# KiCad board VERA-XE-HDMI-Expansion.kicad_pcb (continued)
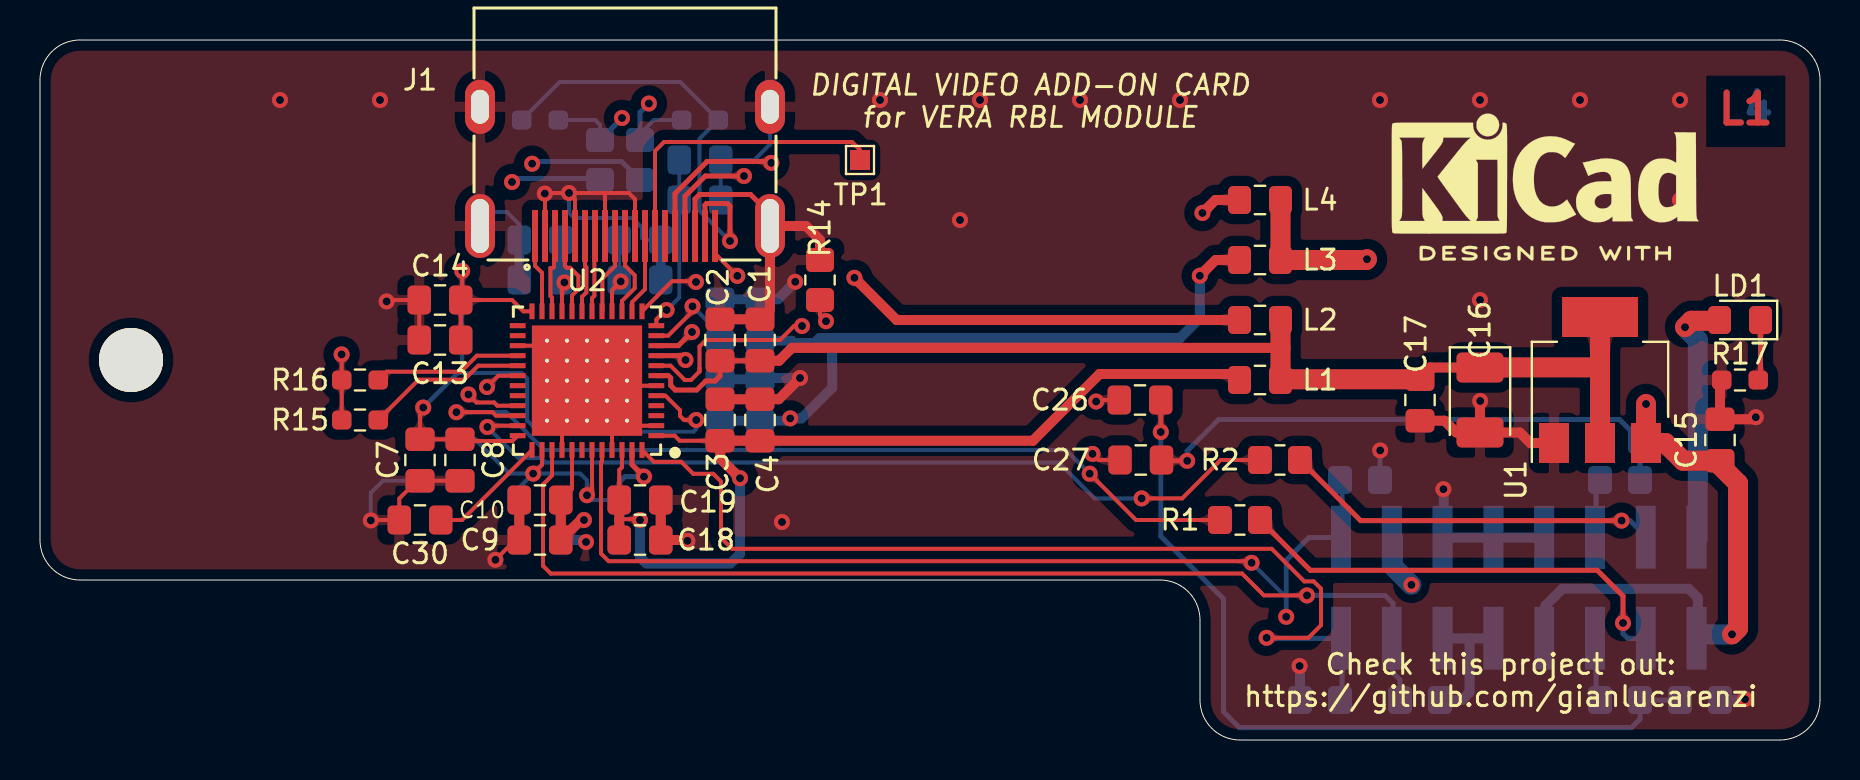
[diagram p0: board, top side]
## Copper pours and planes (outline as drawn; the poured copper is in the pictures)
1V8 on Top: 36.93,19.3 36.86,19.24 36.79,19.21 36.73,19.21 36.66,19.22 36.6,19.25 36.54,19.3 36.4,19.4 36.33,19.45 36.26,19.49 35.71,18.96 36.42,18.55 36.5,18.62 36.58,18.66 36.66,18.69 36.75,18.71 36.83,18.72 36.91,18.74 37,18.76 37.09,18.8 37.19,18.86 37.29,18.95
1V8 on Top: 61.53,19.15 61.53,19.01 61.53,18.57 61.53,18.48 61.53,18.4 61.53,18.34 61.52,18.29 61.51,18.25 62.03,17.71 62.54,18.25 62.53,18.29 62.52,18.34 62.52,18.4 62.52,18.48 62.52,18.57 62.52,19.01 62.53,19.15
1V8 on Top: 62.53,19.85 62.52,19.99 62.52,20.43 62.52,20.52 62.52,20.6 62.52,20.66 62.53,20.71 62.54,20.75 62.03,21.29 61.51,20.75 61.52,20.71 61.53,20.66 61.53,20.6 61.53,20.52 61.53,20.43 61.53,19.99 61.53,19.85
1V8 on Top: 35.17,19.09 35.03,19.09 34.92,19.11 34.82,19.14 34.74,19.17 34.67,19.22 34.6,19.27 34.53,19.32 34.45,19.38 34.36,19.43 34.26,19.49 33.71,18.96 34.26,18.43 34.36,18.49 34.45,18.55 34.53,18.6 34.6,18.66 34.67,18.71 34.74,18.75 34.82,18.79 34.92,18.81 35.03,18.83 35.17,18.84
1V8 on Top: 34.83,18.84 34.97,18.83 35.08,18.81 35.18,18.79 35.26,18.75 35.33,18.71 35.4,18.66 35.47,18.6 35.55,18.55 35.64,18.49 35.74,18.43 36.29,18.96 35.74,19.49 35.64,19.43 35.55,19.38 35.47,19.32 35.4,19.27 35.33,19.22 35.26,19.17 35.18,19.14 35.08,19.11 34.97,19.09 34.83,19.09
1V8 on Top: 63.18,18.54 63.04,18.54 62.91,18.53 62.48,18.52 62.4,18.52 62.33,18.52 62.28,18.52 62.24,18.53 61.74,17.98 62.31,17.5 62.34,17.51 62.39,17.52 62.45,17.53 62.53,17.53 62.61,17.54 62.71,17.54 63.18,17.54
1V8 on Top: 67.83,17.54 67.97,17.54 68.41,17.55 68.5,17.55 68.57,17.54 68.64,17.54 68.7,17.53 68.74,17.51 69.29,18.04 68.74,18.57 68.7,18.55 68.64,18.54 68.57,18.53 68.5,18.53 68.41,18.53 67.97,18.54 67.83,18.54
1V8 on Top: 78.5,19.16 78.5,19.38 78.51,19.57 78.53,19.74 78.56,19.89 78.6,20.02 78.64,20.15 78.69,20.28 78.75,20.41 78.9,20.71 78,21.65 77.1,20.71 77.25,20.41 77.31,20.28 77.36,20.15 77.4,20.02 77.44,19.89 77.47,19.74 77.49,19.57 77.5,19.38 77.5,19.16
1V8 on Top: 73.5,19.13 73.33,19.13 73.18,19.13 73.05,19.13 72.93,19.14 72.83,19.15 72.73,19.16 72.63,19.19 72.53,19.22 72.43,19.25 72.32,19.3 71.63,18.62 72.33,17.95 72.44,18 72.54,18.04 72.63,18.07 72.73,18.09 72.83,18.11 72.94,18.12 73.05,18.13 73.18,18.13 73.33,18.13 73.5,18.13
1V8 on Top: 77.5,16.34 77.5,16.17 77.5,16.03 77.5,15.9 77.49,15.78 77.48,15.68 77.46,15.58 77.44,15.48 77.41,15.38 77.37,15.28 77.32,15.18 78,14.48 78.68,15.18 78.63,15.28 78.59,15.38 78.56,15.48 78.54,15.58 78.52,15.68 78.51,15.78 78.5,15.9 78.5,16.03 78.5,16.17 78.5,16.34
1V8 on Top: 78.5,19.16 78.5,19.38 78.51,19.57 78.53,19.74 78.56,19.89 78.6,20.02 78.64,20.15 78.69,20.28 78.75,20.41 78.9,20.71 78,21.65 77.1,20.71 77.25,20.41 77.31,20.28 77.36,20.15 77.4,20.02 77.44,19.89 77.47,19.74 77.49,19.57 77.5,19.38 77.5,19.16
1V8 on Top: 69.91,18.88 69.78,18.87 69.67,18.85 69.58,18.82 69.5,18.79 69.35,18.71 69.28,18.68 69.2,18.65 69.11,18.63 69,18.62 68.81,17.81 69.57,17.9 69.59,17.97 69.61,18.11 69.63,18.17 69.65,18.23 69.68,18.28 69.72,18.32 69.77,18.35 69.83,18.37 69.91,18.38
1V8 on Top: 70.51,18.38 70.68,18.37 70.82,18.35 70.94,18.33 71.05,18.29 71.15,18.25 71.24,18.2 71.43,18.08 71.54,18.02 71.67,17.95 72.38,18.62 71.67,19.3 71.54,19.23 71.43,19.17 71.24,19.05 71.15,19 71.05,18.96 70.94,18.92 70.82,18.9 70.68,18.88 70.51,18.88
3V3 on Top: 14.99,18.95 14.98,18.83 14.97,18.74 14.95,18.67 14.92,18.6 14.88,18.54 14.84,18.49 14.8,18.43 14.75,18.37 14.71,18.29 14.66,18.21 15.09,17.76 15.51,18.21 15.47,18.29 15.42,18.37 15.38,18.43 15.33,18.49 15.29,18.54 15.26,18.6 15.23,18.67 15.21,18.74 15.19,18.83 15.19,18.95
3V3 on Top: 15.19,17.05 15.19,17.17 15.21,17.26 15.23,17.33 15.26,17.4 15.29,17.46 15.33,17.51 15.38,17.57 15.42,17.63 15.47,17.71 15.51,17.79 15.09,18.24 14.66,17.79 14.71,17.71 14.75,17.63 14.8,17.57 14.84,17.51 14.88,17.46 14.92,17.4 14.95,17.33 14.97,17.26 14.98,17.17 14.99,17.05
3V3 on Top: 14.99,16.95 14.98,16.83 14.97,16.74 14.95,16.67 14.92,16.6 14.88,16.54 14.84,16.49 14.8,16.43 14.75,16.37 14.71,16.29 14.66,16.21 15.09,15.76 15.51,16.21 15.47,16.29 15.42,16.37 15.38,16.43 15.33,16.49 15.29,16.54 15.26,16.6 15.23,16.67 15.21,16.74 15.19,16.83 15.19,16.95
3V3 on Top: 63.17,24.5 63.04,24.5 62.59,24.49 62.5,24.49 62.43,24.49 62.36,24.5 62.31,24.51 62.28,24.52 61.74,24 62.28,23.48 62.31,23.49 62.36,23.5 62.43,23.51 62.5,23.51 62.59,23.51 63.04,23.5 63.17,23.5
3V3 on Top: 62.53,25.86 62.52,25.99 62.52,26.43 62.52,26.52 62.52,26.6 62.52,26.66 62.53,26.71 62.54,26.75 62.03,27.29 61.51,26.75 61.52,26.71 61.53,26.66 61.53,26.6 61.53,26.52 61.53,26.43 61.53,25.99 61.53,25.86
3V3 on Top: 61.53,25.14 61.53,25.01 61.53,24.57 61.53,24.48 61.53,24.4 61.53,24.34 61.52,24.29 61.51,24.25 62.03,23.71 62.54,24.25 62.53,24.29 62.52,24.34 62.52,24.4 62.52,24.48 62.52,24.57 62.52,25.01 62.53,25.14
3V3 on Top: 82.82,20.46 82.96,20.46 83.09,20.46 83.52,20.48 83.6,20.48 83.67,20.48 83.72,20.48 83.76,20.47 84.26,21.02 83.69,21.5 83.66,21.49 83.61,21.48 83.54,21.47 83.47,21.46 83.38,21.46 83.29,21.46 82.82,21.46
3V3 on In1.Cu: 90.96,-1.01 -1.7,-0.8 -1.7,36 90.96,35.99
5V on Top: 79.8,16.34 79.8,16.17 79.8,16.03 79.8,15.9 79.79,15.78 79.78,15.68 79.76,15.58 79.74,15.48 79.71,15.38 79.67,15.28 79.62,15.18 80.3,14.48 80.97,15.18 80.93,15.28 80.89,15.38 80.86,15.48 80.84,15.58 80.82,15.68 80.81,15.78 80.8,15.9 80.8,16.03 80.8,16.17 80.8,16.34
5V on Top: 85.05,13.39 84.97,13.46 84.9,13.54 84.83,13.61 84.77,13.68 84.72,13.74 84.68,13.8 84.64,13.86 84.61,13.91 84.59,13.95 84.59,13.99 83.86,14.22 83.66,13.48 83.7,13.45 83.75,13.4 83.8,13.34 83.98,13.09 84.06,13 84.14,12.9 84.24,12.79 84.34,12.68
5V on Top: 82.83,13.46 82.97,13.46 83.41,13.47 83.5,13.47 83.57,13.47 83.64,13.46 83.7,13.45 83.74,13.43 84.29,13.96 83.74,14.49 83.7,14.47 83.64,14.46 83.57,14.46 83.5,14.45 83.41,14.45 82.97,14.46 82.83,14.46
5V on Top: 82,14.83 81.86,14.95 81.73,15.03 81.61,15.09 81.48,15.13 81.36,15.16 81.25,15.18 81.14,15.21 81.03,15.24 80.93,15.3 80.83,15.38 79.93,14.85 80.63,14.17 80.69,14.2 80.75,14.23 80.82,14.25 80.88,14.27 80.95,14.27 81.02,14.27 81.08,14.26 81.15,14.23 81.22,14.18 81.29,14.12
5V on Bottom: 82.64,6.07 82.64,5.97 82.63,5.88 82.62,5.8 82.61,5.73 82.59,5.67 82.56,5.61 82.53,5.55 82.5,5.49 82.41,5.36 82.8,4.84 83.3,5.25 83.22,5.48 83.2,5.55 83.18,5.62 83.17,5.69 83.15,5.77 83.15,5.85 83.14,5.95 83.14,6.07
5V on Bottom: 75.02,6.07 75.02,5.97 75.01,5.88 75,5.8 74.99,5.73 74.97,5.67 74.94,5.61 74.91,5.55 74.88,5.49 74.79,5.36 75.18,4.84 75.68,5.25 75.6,5.48 75.58,5.55 75.56,5.62 75.55,5.69 75.53,5.77 75.53,5.85 75.52,5.95 75.52,6.07
/AVDD18_0 on Top: 58.83,20.75 58.96,20.75 59.07,20.74 59.16,20.72 59.25,20.7 59.32,20.68 59.39,20.65 59.47,20.61 59.63,20.53 59.72,20.48 60.26,21 59.72,21.52 59.63,21.47 59.47,21.39 59.39,21.35 59.32,21.32 59.25,21.3 59.16,21.28 59.07,21.26 58.96,21.25 58.83,21.25
/AVDD18_0 on Bottom: 25.79,24.18 25.78,24.05 25.78,23.93 25.76,23.84 25.74,23.75 25.71,23.67 25.68,23.6 25.65,23.52 25.56,23.36 25.51,23.26 26.04,22.71 26.57,23.26 26.52,23.36 26.43,23.52 26.39,23.6 26.36,23.67 26.34,23.75 26.31,23.84 26.3,23.93 26.29,24.05 26.29,24.18
/AVDD18_0 on Bottom: 26.29,23.83 26.29,23.96 26.3,24.08 26.32,24.17 26.34,24.26 26.36,24.33 26.39,24.41 26.43,24.48 26.52,24.65 26.57,24.74 26.04,25.29 25.51,24.74 25.56,24.65 25.64,24.48 25.68,24.41 25.71,24.33 25.74,24.26 25.76,24.17 25.77,24.08 25.78,23.96 25.79,23.83
/AVDD18_0 on Bottom: 28.86,24.17 28.86,24.03 28.84,23.92 28.81,23.82 28.77,23.74 28.72,23.67 28.67,23.6 28.61,23.53 28.55,23.46 28.49,23.36 28.43,23.26 28.96,22.71 29.49,23.26 29.43,23.36 29.37,23.46 29.31,23.53 29.26,23.6 29.2,23.67 29.16,23.74 29.12,23.82 29.09,23.92 29.07,24.03 29.06,24.17
/AVDD18_0 on Bottom: 29.06,23.83 29.07,23.97 29.09,24.08 29.12,24.18 29.16,24.26 29.2,24.33 29.26,24.4 29.31,24.47 29.37,24.54 29.43,24.64 29.49,24.74 28.96,25.29 28.43,24.74 28.49,24.64 28.55,24.54 28.61,24.47 28.67,24.4 28.72,24.33 28.77,24.26 28.81,24.18 28.84,24.08 28.86,23.97 28.86,23.83
/AVDD18_ADC_0 on Top: 34.39,14.05 34.34,14.12 34.3,14.19 34.29,14.25 34.3,14.31 34.33,14.37 34.36,14.44 34.4,14.5 34.45,14.57 34.49,14.63 34.53,14.71 34,15.26 33.58,14.55 33.66,14.46 33.71,14.38 33.74,14.3 33.77,14.22 33.79,14.14 33.81,14.06 33.84,13.98 33.89,13.89 33.95,13.8 34.04,13.7
/AVDD18_ADC_0 on Top: 29.21,11.05 29.21,11.13 29.22,11.2 29.23,11.27 29.24,11.33 29.26,11.39 29.28,11.44 29.31,11.48 29.33,11.52 29.36,11.56 29.39,11.6 28.96,12.29 28.54,11.6 28.57,11.56 28.59,11.52 28.62,11.48 28.64,11.44 28.66,11.39 28.68,11.33 28.69,11.27 28.7,11.2 28.71,11.13 28.71,11.05
/AVDD18_ADC_0 on Top: 28.71,11.03 28.71,10.93 28.7,10.84 28.69,10.76 28.68,10.69 28.66,10.63 28.63,10.57 28.61,10.52 28.57,10.46 28.54,10.41 28.5,10.36 28.96,9.71 29.42,10.36 29.39,10.41 29.35,10.46 29.32,10.52 29.29,10.57 29.27,10.63 29.25,10.69 29.23,10.76 29.22,10.84 29.21,10.93 29.21,11.03
/AVDD18_ADC_0 on Top: 26.69,11 26.59,10.91 26.51,10.84 26.43,10.78 26.35,10.74 26.28,10.7 26.2,10.67 26.13,10.64 25.95,10.59 25.84,10.55 25.83,9.79 26.59,9.81 26.63,9.91 26.68,10.09 26.71,10.17 26.74,10.24 26.77,10.31 26.82,10.39 26.88,10.47 26.95,10.55 27.04,10.65
/AVDD18_ADC_0 on Top: 58.9,18.05 59,18.05 59.08,18.04 59.15,18.02 59.21,17.99 59.27,17.96 59.32,17.92 59.36,17.87 59.41,17.82 59.45,17.75 59.49,17.69 60.22,17.85 59.97,18.58 59.85,18.57 59.74,18.57 59.29,18.56 59.18,18.55 59.05,18.55 58.9,18.55
/AVDD18_ADC_0 on Top: 37.17,15.21 37.04,15.22 36.92,15.23 36.83,15.24 36.74,15.26 36.67,15.29 36.59,15.32 36.52,15.36 36.35,15.44 36.26,15.49 35.71,14.96 36.26,14.43 36.35,14.48 36.52,14.57 36.59,14.61 36.67,14.64 36.74,14.66 36.83,14.68 36.92,14.7 37.04,14.71 37.17,14.71
/AVDD18_ADC_0 on Top: 34.83,14.71 34.96,14.71 35.08,14.7 35.17,14.68 35.26,14.66 35.33,14.64 35.41,14.61 35.48,14.57 35.65,14.48 35.74,14.43 36.29,14.96 35.74,15.49 35.65,15.44 35.48,15.36 35.41,15.32 35.33,15.29 35.26,15.26 35.17,15.24 35.08,15.23 34.96,15.22 34.83,15.21
/AVDD18_ADC_0 on Top: 35.17,15.21 35.04,15.22 34.92,15.23 34.83,15.24 34.74,15.26 34.67,15.29 34.59,15.32 34.52,15.36 34.35,15.44 34.26,15.49 33.71,14.96 34.26,14.43 34.35,14.48 34.52,14.57 34.59,14.61 34.67,14.64 34.74,14.66 34.83,14.68 34.92,14.7 35.04,14.71 35.17,14.71
/AVDD18_ADC_0 on Top: 26.29,10.83 26.29,10.96 26.3,11.08 26.32,11.17 26.34,11.26 26.36,11.33 26.39,11.41 26.43,11.48 26.52,11.65 26.57,11.74 26.04,12.29 25.51,11.74 25.56,11.65 25.64,11.48 25.68,11.41 25.71,11.33 25.74,11.26 25.76,11.17 25.77,11.08 25.78,10.96 25.79,10.83
/AVDD18_ADC_0 on Top: 25.79,11.17 25.78,11.04 25.77,10.92 25.76,10.83 25.74,10.74 25.71,10.67 25.68,10.59 25.64,10.52 25.56,10.35 25.51,10.26 26.04,9.71 26.57,10.26 26.52,10.35 26.43,10.52 26.39,10.59 26.36,10.67 26.34,10.74 26.32,10.83 26.3,10.92 26.29,11.04 26.29,11.17
/AVDD18_ADC_0 on Top: 26.5,12.94 26.49,12.84 26.46,12.77 26.42,12.71 26.36,12.67 26.29,12.65 26.21,12.63 26.03,12.6 25.94,12.58 25.84,12.55 25.83,11.79 26.62,12 26.63,12.11 26.63,12.21 26.64,12.3 26.65,12.38 26.67,12.53 26.68,12.61 26.69,12.7 26.7,12.81 26.7,12.94
/AVDD18_ADC_0 on Top: 28.86,13.17 28.86,13.03 28.84,12.92 28.81,12.82 28.77,12.74 28.72,12.67 28.67,12.6 28.61,12.53 28.55,12.46 28.49,12.36 28.43,12.26 28.96,11.71 29.49,12.26 29.43,12.36 29.37,12.46 29.31,12.53 29.26,12.6 29.2,12.67 29.16,12.74 29.12,12.82 29.09,12.92 29.07,13.03 29.06,13.17
/AVDD18_ADC_0 on Top: 32.83,14.86 32.97,14.86 33.08,14.84 33.18,14.81 33.26,14.77 33.33,14.72 33.4,14.67 33.47,14.61 33.54,14.55 33.64,14.49 33.74,14.43 34.29,14.96 33.74,15.49 33.64,15.43 33.54,15.37 33.47,15.31 33.4,15.26 33.33,15.2 33.26,15.16 33.18,15.12 33.08,15.09 32.97,15.07 32.83,15.06
/AVDD33_0 on Top: 58.83,26.75 58.96,26.75 59.07,26.74 59.16,26.72 59.25,26.7 59.32,26.68 59.39,26.65 59.47,26.61 59.63,26.53 59.72,26.48 60.26,27 59.72,27.52 59.63,27.47 59.47,27.39 59.39,27.35 59.32,27.32 59.25,27.3 59.16,27.28 59.07,27.26 58.96,27.25 58.83,27.25
/AVDD33_0 on Bottom: 24.21,10.83 24.22,10.96 24.23,11.08 24.24,11.17 24.26,11.26 24.29,11.33 24.32,11.41 24.36,11.48 24.44,11.65 24.49,11.74 23.96,12.29 23.43,11.74 23.48,11.65 23.57,11.48 23.61,11.41 23.64,11.33 23.66,11.26 23.68,11.17 23.7,11.08 23.71,10.96 23.71,10.83
/AVDD33_0 on Bottom: 23.71,11.17 23.71,11.04 23.7,10.92 23.68,10.83 23.66,10.74 23.64,10.67 23.61,10.59 23.57,10.52 23.48,10.35 23.43,10.26 23.96,9.71 24.49,10.26 24.44,10.35 24.36,10.52 24.32,10.59 24.29,10.67 24.26,10.74 24.24,10.83 24.23,10.92 24.22,11.04 24.21,11.17
/AVDD33_0 on Bottom: 32.06,25.83 32.07,25.97 32.09,26.08 32.12,26.18 32.16,26.26 32.2,26.33 32.26,26.4 32.31,26.47 32.37,26.54 32.43,26.64 32.49,26.74 31.96,27.29 31.43,26.74 31.49,26.64 31.55,26.54 31.61,26.47 31.67,26.4 31.72,26.33 31.77,26.26 31.81,26.18 31.84,26.08 31.86,25.97 31.86,25.83
/AVDD33_0 on Bottom: 29.08,13.18 28.99,13.09 28.92,13 28.87,12.93 28.83,12.85 28.76,12.71 28.73,12.65 28.68,12.57 28.62,12.5 28.55,12.42 28.96,11.71 29.49,12.26 29.44,12.34 29.38,12.43 29.26,12.57 29.21,12.64 29.17,12.71 29.15,12.78 29.16,12.85 29.19,12.93 29.25,13.01
/AVDD33_0 on Bottom: 22.12,14.81 22.03,14.9 21.95,14.98 21.88,15.04 21.64,15.25 21.57,15.3 21.5,15.37 21.42,15.45 20.71,15.04 21.26,14.51 21.34,14.55 21.42,14.61 21.49,14.66 21.56,14.7 21.63,14.74 21.7,14.77 21.77,14.78 21.83,14.76 21.91,14.73 21.98,14.67
/AVDD33_0 on Bottom: 19.83,14.94 19.97,14.93 20.08,14.91 20.18,14.88 20.26,14.84 20.33,14.8 20.4,14.74 20.47,14.69 20.54,14.63 20.64,14.57 20.74,14.51 21.29,15.04 20.74,15.57 20.64,15.51 20.54,15.45 20.47,15.39 20.4,15.33 20.33,15.28 20.26,15.23 20.18,15.19 20.08,15.16 19.97,15.14 19.83,15.14
/AVDD33_0 on Bottom: 20.17,15.14 20.03,15.14 19.92,15.16 19.82,15.19 19.74,15.23 19.67,15.28 19.6,15.33 19.53,15.39 19.46,15.45 19.36,15.51 19.26,15.57 18.71,15.04 19.26,14.51 19.36,14.57 19.46,14.63 19.53,14.69 19.6,14.74 19.67,14.8 19.74,14.84 19.82,14.88 19.92,14.91 20.03,14.93 20.17,14.94
/AVDD33_0 on Bottom: 29.06,10.83 29.07,10.97 29.09,11.08 29.12,11.18 29.16,11.26 29.2,11.33 29.26,11.4 29.31,11.47 29.37,11.54 29.43,11.64 29.49,11.74 28.96,12.29 28.43,11.74 28.49,11.64 28.55,11.54 28.61,11.47 28.67,11.4 28.72,11.33 28.77,11.26 28.81,11.18 28.84,11.08 28.86,10.97 28.86,10.83
/AVDD33_0 on Bottom: 28.86,11.17 28.86,11.03 28.84,10.92 28.81,10.82 28.77,10.74 28.72,10.67 28.67,10.6 28.61,10.53 28.55,10.46 28.49,10.36 28.43,10.26 28.96,9.71 29.49,10.26 29.43,10.36 29.37,10.46 29.31,10.53 29.26,10.6 29.2,10.67 29.16,10.74 29.12,10.82 29.09,10.92 29.07,11.03 29.06,11.17
/AVDD33_0 on Bottom: 27.79,11.9 27.93,11.89 28.04,11.87 28.14,11.84 28.22,11.8 28.29,11.76 28.36,11.71 28.43,11.65 28.51,11.59 28.6,11.53 28.71,11.47 29.26,12 28.71,12.53 28.6,12.47 28.51,12.41 28.43,12.35 28.36,12.29 28.29,12.24 28.22,12.2 28.14,12.16 28.04,12.13 27.93,12.11 27.79,12.1
/AVDD33_0 on Bottom: 24.28,13.09 24.18,12.99 24.1,12.91 24.03,12.84 23.78,12.63 23.71,12.57 23.63,12.5 23.55,12.42 23.96,11.71 24.49,12.26 24.45,12.34 24.37,12.48 24.34,12.55 24.32,12.61 24.3,12.68 24.31,12.74 24.32,12.81 24.36,12.87 24.42,12.94
/AVDD33_0 on Bottom: 31.86,28.17 31.86,28.03 31.84,27.92 31.81,27.82 31.77,27.74 31.72,27.67 31.67,27.6 31.61,27.53 31.55,27.46 31.49,27.36 31.43,27.26 31.96,26.71 32.49,27.26 32.43,27.36 32.37,27.46 32.31,27.53 32.26,27.6 32.2,27.67 32.16,27.74 32.12,27.82 32.09,27.92 32.07,28.03 32.06,28.17
/AVDD33_0 on Bottom: 32.06,27.83 32.07,27.97 32.09,28.08 32.12,28.18 32.16,28.26 32.2,28.33 32.26,28.4 32.31,28.47 32.37,28.54 32.43,28.64 32.49,28.74 31.96,29.29 31.43,28.74 31.49,28.64 31.55,28.54 31.61,28.47 31.67,28.4 31.72,28.33 31.77,28.26 31.81,28.18 31.84,28.08 31.86,27.97 31.86,27.83
/DVDD33_0 on Top: 58.83,23.75 58.96,23.75 59.07,23.74 59.16,23.72 59.25,23.7 59.32,23.68 59.39,23.65 59.47,23.61 59.63,23.53 59.72,23.48 60.26,24 59.72,24.52 59.63,24.47 59.47,24.39 59.39,24.35 59.32,24.32 59.25,24.3 59.16,24.28 59.07,24.26 58.96,24.25 58.83,24.25
/DVDD33_0 on Top: 21.01,23.18 21,23.05 20.98,22.94 20.95,22.85 20.91,22.77 20.86,22.7 20.81,22.64 20.75,22.57 20.68,22.5 20.61,22.42 20.54,22.32 21,21.71 21.59,22.19 21.55,22.31 21.5,22.41 21.44,22.5 21.35,22.65 21.3,22.73 21.26,22.82 21.24,22.92 21.22,23.04 21.21,23.18
/DVDD33_0 on Top: 18.9,16.2 18.89,16.07 18.87,15.96 18.84,15.86 18.8,15.78 18.76,15.71 18.71,15.64 18.65,15.57 18.59,15.49 18.53,15.4 18.47,15.29 19,14.74 19.53,15.29 19.47,15.4 19.41,15.49 19.35,15.57 19.29,15.64 19.24,15.71 19.2,15.78 19.16,15.86 19.13,15.96 19.11,16.07 19.1,16.2
/DVDD33_0 on Top: 22.17,15.05 22.04,15.06 21.93,15.08 21.85,15.11 21.77,15.15 21.7,15.2 21.64,15.25 21.51,15.38 21.43,15.45 21.33,15.52 20.71,15.08 21.18,14.48 21.3,14.52 21.4,14.57 21.49,14.62 21.64,14.72 21.72,14.76 21.81,14.8 21.91,14.83 22.03,14.84 22.17,14.85
/DVDD33_0 on Top: 19.83,14.94 19.97,14.93 20.08,14.91 20.18,14.88 20.26,14.84 20.33,14.8 20.4,14.74 20.47,14.69 20.54,14.63 20.64,14.57 20.74,14.51 21.29,15.04 20.74,15.57 20.64,15.51 20.54,15.45 20.47,15.39 20.4,15.33 20.33,15.28 20.26,15.23 20.18,15.19 20.08,15.16 19.97,15.14 19.83,15.14
/DVDD33_0 on Top: 20.17,15.14 20.03,15.14 19.92,15.16 19.82,15.19 19.74,15.23 19.67,15.28 19.6,15.33 19.53,15.39 19.46,15.45 19.36,15.51 19.26,15.57 18.71,15.04 19.26,14.51 19.36,14.57 19.46,14.63 19.53,14.69 19.6,14.74 19.67,14.8 19.74,14.84 19.82,14.88 19.92,14.91 20.03,14.93 20.17,14.94
/DVDD33_0 on Top: 21.14,20.83 21.14,20.97 21.16,21.08 21.19,21.18 21.23,21.26 21.28,21.33 21.33,21.4 21.39,21.47 21.45,21.54 21.51,21.64 21.57,21.74 21.04,22.29 20.51,21.74 20.57,21.64 20.63,21.54 20.69,21.47 20.74,21.4 20.8,21.33 20.84,21.26 20.88,21.18 20.91,21.08 20.93,20.97 20.94,20.83
/DVDD33_0 on Top: 20.94,21.17 20.93,21.03 20.91,20.92 20.88,20.82 20.84,20.74 20.8,20.67 20.74,20.6 20.69,20.53 20.63,20.46 20.57,20.36 20.51,20.26 21.04,19.71 21.57,20.26 21.51,20.36 21.45,20.46 21.39,20.53 21.33,20.6 21.28,20.67 21.23,20.74 21.19,20.82 21.16,20.92 21.14,21.03 21.14,21.17
/DVDD33_0 on Top: 22.21,22.1 22.07,22.11 21.96,22.13 21.86,22.16 21.78,22.2 21.71,22.24 21.64,22.29 21.57,22.35 21.49,22.41 21.4,22.47 21.29,22.53 20.74,22 21.29,21.47 21.4,21.53 21.49,21.59 21.57,21.65 21.64,21.71 21.71,21.76 21.78,21.8 21.86,21.84 21.96,21.87 22.07,21.89 22.21,21.9
/DVDD33_0 on Bottom: 37.17,16.21 37.04,16.22 36.92,16.23 36.83,16.24 36.74,16.26 36.67,16.29 36.59,16.32 36.52,16.36 36.35,16.44 36.26,16.49 35.71,15.96 36.26,15.43 36.35,15.48 36.52,15.57 36.59,15.61 36.67,15.64 36.74,15.66 36.83,15.68 36.92,15.7 37.04,15.71 37.17,15.71
/DVDD33_0 on Bottom: 35.17,16.21 35.04,16.22 34.92,16.23 34.83,16.24 34.74,16.26 34.67,16.29 34.59,16.32 34.52,16.36 34.35,16.44 34.26,16.49 33.71,15.96 34.26,15.43 34.35,15.48 34.52,15.57 34.59,15.61 34.67,15.64 34.74,15.66 34.83,15.68 34.92,15.7 35.04,15.71 35.17,15.71
/DVDD33_0 on Bottom: 34.83,15.71 34.96,15.71 35.08,15.7 35.17,15.68 35.26,15.66 35.33,15.64 35.41,15.61 35.48,15.57 35.65,15.48 35.74,15.43 36.29,15.96 35.74,16.49 35.65,16.44 35.48,16.36 35.41,16.32 35.33,16.29 35.26,16.26 35.17,16.24 35.08,16.23 34.96,16.22 34.83,16.21
/DVDD33_0 on Bottom: 37.17,20.21 37.04,20.22 36.92,20.23 36.83,20.24 36.74,20.26 36.67,20.29 36.59,20.32 36.52,20.36 36.35,20.44 36.26,20.49 35.71,19.96 36.26,19.43 36.35,19.48 36.52,19.57 36.59,19.61 36.67,19.64 36.74,19.66 36.83,19.68 36.92,19.7 37.04,19.71 37.17,19.71
/DVDD33_0 on Bottom: 33.3,20.86 33.38,20.78 33.43,20.7 33.47,20.62 33.48,20.54 33.48,20.47 33.48,20.39 33.46,20.31 33.44,20.22 33.43,20.12 33.41,20.01 34.1,19.69 34.4,20.39 34.3,20.48 34.2,20.55 34.11,20.6 34.02,20.64 33.94,20.68 33.85,20.71 33.76,20.76 33.66,20.82 33.56,20.9 33.44,21.01
/DVDD33_0 on Bottom: 32.82,15.9 32.96,15.89 33.07,15.87 33.16,15.84 33.24,15.8 33.31,15.76 33.38,15.7 33.45,15.64 33.52,15.58 33.61,15.52 33.71,15.45 34.29,15.94 33.78,16.51 33.66,16.45 33.57,16.4 33.48,16.34 33.41,16.29 33.34,16.24 33.26,16.19 33.18,16.16 33.08,16.13 32.97,16.11 32.82,16.1
/DVDD33_0 on Bottom: 35.17,20.06 35.03,20.07 34.92,20.09 34.82,20.12 34.74,20.16 34.67,20.2 34.6,20.26 34.53,20.31 34.46,20.37 34.36,20.43 34.26,20.49 33.71,19.96 34.26,19.43 34.36,19.49 34.46,19.55 34.53,19.61 34.6,19.67 34.67,19.72 34.74,19.77 34.82,19.81 34.92,19.84 35.03,19.86 35.17,19.86
/DVDD33_0 on Bottom: 34.83,19.86 34.97,19.86 35.08,19.84 35.18,19.81 35.26,19.77 35.33,19.72 35.4,19.67 35.47,19.61 35.54,19.55 35.64,19.49 35.74,19.43 36.29,19.96 35.74,20.49 35.64,20.43 35.54,20.37 35.47,20.31 35.4,20.26 35.33,20.2 35.26,20.16 35.18,20.12 35.08,20.09 34.97,20.07 34.83,20.06
GND on Top: 91,-1 -1.7,-0.6 -1.7,36 91,36
GND on Bottom: 91,-1 -1.7,-0.8 -1.7,36 91,36
GND on In2.Cu: 90.96,-0.99 -1.75,-0.8 -1.7,36 90.96,36.01
/DDC_SCL on Bottom: 29.88,31.19 29.87,31.05 29.85,30.94 29.82,30.84 29.78,30.76 29.74,30.69 29.69,30.61 29.64,30.54 29.58,30.46 29.52,30.37 29.46,30.26 30,29.7 30.54,30.26 30.48,30.37 30.42,30.46 30.36,30.54 30.31,30.61 30.26,30.69 30.22,30.76 30.18,30.84 30.15,30.94 30.13,31.05 30.12,31.19
/DDC_SCL on Bottom: 30.59,31.05 30.48,30.94 30.37,30.86 30.28,30.8 30.18,30.76 30.09,30.72 30.01,30.69 29.91,30.65 29.82,30.6 29.72,30.54 29.61,30.46 29.88,29.73 30.6,30.02 30.59,30.13 30.58,30.24 30.56,30.33 30.55,30.41 30.54,30.49 30.55,30.57 30.56,30.65 30.6,30.73 30.65,30.81 30.74,30.9
/DDC_SCL on Bottom: 31.14,30.9 31.25,30.89 31.34,30.88 31.42,30.86 31.49,30.83 31.54,30.79 31.6,30.75 31.66,30.71 31.72,30.67 31.79,30.62 31.88,30.57 32.32,31 31.88,31.43 31.79,31.38 31.72,31.33 31.66,31.29 31.6,31.25 31.54,31.21 31.49,31.17 31.42,31.14 31.34,31.12 31.25,31.11 31.14,31.1
/DDC_SDA on Bottom: 28.75,30.93 28.65,30.84 28.56,30.77 28.47,30.72 28.38,30.69 28.3,30.67 28.22,30.65 28.13,30.64 28.03,30.63 27.92,30.6 27.8,30.57 27.79,29.79 28.57,29.8 28.6,29.92 28.63,30.03 28.64,30.13 28.65,30.22 28.67,30.3 28.69,30.38 28.72,30.47 28.77,30.56 28.84,30.65 28.93,30.75
/DDC_SDA on Bottom: 26.86,31.1 26.75,31.11 26.66,31.12 26.58,31.14 26.51,31.17 26.46,31.21 26.4,31.25 26.34,31.29 26.28,31.33 26.21,31.38 26.12,31.43 25.68,31 26.12,30.57 26.21,30.62 26.28,30.67 26.34,30.71 26.4,30.75 26.46,30.79 26.51,30.83 26.58,30.86 26.66,30.88 26.75,30.89 26.86,30.9
AUDIOL on Bottom: 77.94,4.09 77.94,4.21 77.95,4.31 77.97,4.4 78,4.47 78.03,4.54 78.11,4.67 78.15,4.74 78.18,4.82 78.22,4.92 77.72,5.33 77.33,4.81 77.39,4.73 77.44,4.66 77.54,4.55 77.58,4.49 77.61,4.43 77.64,4.37 77.67,4.29 77.68,4.2 77.69,4.09
AUDIOL on Bottom: 77.69,3.17 77.68,3.02 77.66,2.89 77.64,2.78 77.6,2.68 77.57,2.6 77.53,2.51 77.49,2.42 77.46,2.32 77.43,2.21 77.41,2.08 78.09,1.72 78.43,2.42 78.35,2.5 78.27,2.56 78.2,2.62 78.14,2.68 78.08,2.73 78.03,2.79 77.99,2.86 77.96,2.95 77.94,3.05 77.94,3.17
AUDIOR on Bottom: 77.69,11.11 77.68,11 77.67,10.91 77.64,10.84 77.61,10.78 77.58,10.72 77.54,10.67 77.44,10.55 77.39,10.49 77.33,10.41 77.72,9.89 78.22,10.29 78.19,10.39 78.15,10.47 78.11,10.55 78.03,10.67 78,10.74 77.97,10.81 77.95,10.89 77.94,10.99 77.94,11.11
AUDIOR on Bottom: 77.94,11.83 77.94,11.95 77.96,12.05 77.99,12.14 78.03,12.21 78.08,12.27 78.14,12.32 78.2,12.38 78.27,12.44 78.35,12.5 78.43,12.58 78.09,13.28 77.41,12.92 77.43,12.79 77.46,12.68 77.49,12.58 77.53,12.49 77.57,12.4 77.6,12.32 77.64,12.22 77.66,12.11 77.68,11.98 77.69,11.83
VGABLUE on Bottom: 67.53,6.07 67.52,5.96 67.51,5.87 67.48,5.79 67.45,5.73 67.42,5.67 67.38,5.62 67.28,5.5 67.23,5.44 67.17,5.36 67.56,4.84 68.06,5.25 68.03,5.34 67.99,5.43 67.95,5.5 67.87,5.63 67.84,5.69 67.81,5.77 67.79,5.85 67.78,5.95 67.78,6.07
VGABLUE on Bottom: 67.78,3.06 67.85,2.97 67.88,2.89 67.87,2.81 67.84,2.74 67.79,2.67 67.73,2.6 67.66,2.52 67.58,2.44 67.52,2.36 67.46,2.26 68,1.7 68.42,2.42 68.35,2.51 68.3,2.59 68.26,2.66 68.23,2.74 68.18,2.89 68.15,2.97 68.1,3.05 68.04,3.14 67.95,3.23
VGABLUE on Bottom: 67.78,4.09 67.78,4.21 67.79,4.31 67.81,4.4 67.84,4.47 67.87,4.54 67.95,4.67 67.99,4.74 68.02,4.82 68.06,4.92 67.56,5.33 67.17,4.81 67.23,4.73 67.28,4.66 67.38,4.55 67.42,4.49 67.45,4.43 67.48,4.37 67.51,4.29 67.52,4.2 67.53,4.09
VGAGREEN on Bottom: 64.12,9.99 64.23,9.99 64.32,9.98 64.39,9.95 64.46,9.92 64.51,9.89 64.63,9.81 64.69,9.76 64.76,9.72 64.85,9.68 65.3,10.14 64.82,10.58 64.74,10.53 64.67,10.48 64.55,10.39 64.5,10.35 64.45,10.32 64.38,10.29 64.31,10.26 64.23,10.25 64.12,10.24
VGAGREEN on Bottom: 64.99,11.11 64.98,11 64.97,10.91 64.94,10.84 64.91,10.78 64.88,10.72 64.84,10.67 64.74,10.55 64.69,10.49 64.63,10.41 65.02,9.89 65.52,10.29 65.49,10.39 65.45,10.47 65.41,10.55 65.33,10.67 65.3,10.74 65.27,10.81 65.25,10.89 65.24,10.99 65.24,11.11
VGAGREEN on Bottom: 65.24,11.81 65.24,11.96 65.26,12.08 65.29,12.19 65.32,12.28 65.36,12.36 65.45,12.52 65.49,12.61 65.54,12.72 65.58,12.84 64.95,13.29 64.52,12.64 64.59,12.55 64.66,12.47 64.79,12.34 64.84,12.28 64.89,12.21 64.93,12.14 64.96,12.05 64.98,11.94 64.99,11.81
VGAHSYNC on Top: 61.93,10.25 61.84,10.35 61.77,10.44 61.72,10.53 61.69,10.62 61.67,10.7 61.65,10.78 61.64,10.87 61.63,10.97 61.6,11.08 61.57,11.2 60.79,11.21 60.8,10.43 60.92,10.4 61.03,10.37 61.13,10.36 61.22,10.35 61.3,10.33 61.38,10.31 61.47,10.28 61.56,10.23 61.65,10.16 61.75,10.07
VGAHSYNC on Bottom: 79.27,5.02 79.35,4.96 79.42,4.91 79.49,4.89 79.55,4.87 79.68,4.86 79.74,4.84 79.81,4.82 79.87,4.79 79.94,4.73 80.54,5.09 80.07,5.53 79.99,5.48 79.92,5.42 79.86,5.35 79.8,5.28 79.75,5.22 79.7,5.17 79.64,5.13 79.58,5.12 79.52,5.14 79.45,5.2
VGARED on Bottom: 64.12,4.95 64.23,4.95 64.32,4.94 64.39,4.91 64.45,4.88 64.51,4.85 64.56,4.81 64.62,4.77 64.68,4.72 64.75,4.68 64.84,4.63 65.3,5.09 64.83,5.53 64.74,5.49 64.67,5.44 64.61,5.4 64.56,5.35 64.51,5.31 64.45,5.28 64.39,5.25 64.31,5.22 64.23,5.21 64.12,5.2
VGARED on Bottom: 65.24,4.09 65.24,4.21 65.25,4.31 65.27,4.4 65.3,4.47 65.33,4.54 65.41,4.67 65.45,4.74 65.48,4.82 65.52,4.92 65.02,5.33 64.63,4.81 64.69,4.73 64.74,4.66 64.84,4.55 64.88,4.49 64.91,4.43 64.94,4.37 64.97,4.29 64.98,4.2 64.99,4.09
VGARED on Bottom: 64.99,3.19 64.98,3.06 64.96,2.95 64.93,2.86 64.89,2.79 64.84,2.72 64.79,2.66 64.66,2.53 64.59,2.45 64.52,2.36 64.95,1.71 65.58,2.16 65.54,2.28 65.49,2.39 65.45,2.48 65.36,2.64 65.32,2.72 65.29,2.81 65.26,2.92 65.24,3.04 65.24,3.19
VGAVSYNC on Top: 63.93,13.25 63.84,13.35 63.77,13.44 63.72,13.53 63.69,13.62 63.67,13.7 63.65,13.78 63.64,13.87 63.63,13.97 63.6,14.08 63.57,14.2 62.79,14.21 62.8,13.43 62.92,13.4 63.03,13.37 63.13,13.36 63.22,13.35 63.3,13.33 63.38,13.31 63.47,13.28 63.56,13.23 63.65,13.16 63.75,13.07
Net-(C26-Pad1) on Top: 52.88,16.86 52.98,16.93 53.06,16.96 53.14,16.95 53.21,16.91 53.28,16.85 53.35,16.78 53.43,16.69 53.51,16.61 53.6,16.53 53.71,16.47 54.26,17 53.55,17.42 53.46,17.34 53.39,17.3 53.31,17.26 53.23,17.24 53.08,17.2 53,17.18 52.92,17.14 52.84,17.08 52.74,17
Net-(C26-Pad2) on Top: 56.16,15.83 56.17,15.97 56.19,16.08 56.22,16.17 56.25,16.26 56.3,16.33 56.34,16.4 56.4,16.47 56.45,16.55 56.51,16.64 56.57,16.75 56.04,17.29 55.51,16.74 55.57,16.63 55.63,16.54 55.68,16.47 55.74,16.4 55.78,16.33 55.83,16.25 55.86,16.17 55.89,16.08 55.91,15.97 55.91,15.83
Net-(C26-Pad2) on Bottom: 79.91,0.78 80,0.88 80.06,0.97 80.11,1.05 80.15,1.12 80.21,1.27 80.25,1.34 80.29,1.41 80.35,1.49 80.42,1.58 80,2.3 79.46,1.74 79.51,1.65 79.58,1.56 79.64,1.48 79.71,1.41 79.77,1.34 79.81,1.27 79.83,1.2 79.83,1.12 79.8,1.05 79.73,0.96
Net-(C26-Pad2) on Bottom: 80.81,1.88 80.95,1.87 81.06,1.85 81.16,1.82 81.24,1.78 81.31,1.74 81.39,1.69 81.46,1.64 81.54,1.58 81.63,1.52 81.74,1.46 82.3,2 81.74,2.54 81.63,2.48 81.54,2.42 81.46,2.36 81.39,2.31 81.31,2.26 81.24,2.22 81.16,2.18 81.06,2.15 80.95,2.13 80.81,2.12
Net-(C26-Pad2) on Bottom: 81.19,2.12 81.05,2.13 80.94,2.15 80.84,2.18 80.76,2.22 80.69,2.26 80.61,2.31 80.54,2.36 80.46,2.42 80.37,2.48 80.26,2.54 79.7,2 80.26,1.46 80.37,1.52 80.46,1.58 80.54,1.64 80.61,1.69 80.69,1.74 80.76,1.78 80.84,1.82 80.94,1.85 81.05,1.87 81.19,1.88
Net-(C27-Pad1) on Top: 52.78,14 52.88,13.92 52.96,13.87 53.04,13.83 53.12,13.8 53.27,13.76 53.35,13.74 53.42,13.71 53.5,13.66 53.58,13.58 54.29,14 53.74,14.53 53.64,14.47 53.55,14.39 53.47,14.31 53.39,14.23 53.32,14.15 53.25,14.09 53.17,14.05 53.1,14.05 53.02,14.07 52.92,14.15
Net-(C27-Pad2) on Top: 57.25,14.09 57.12,14.09 57.01,14.11 56.91,14.14 56.84,14.17 56.76,14.22 56.7,14.27 56.55,14.38 56.47,14.45 56.37,14.51 55.78,14.02 56.29,13.46 56.41,13.51 56.51,13.56 56.59,13.61 56.66,13.66 56.74,13.71 56.81,13.75 56.9,13.78 57,13.81 57.11,13.83 57.25,13.84
Net-(C27-Pad2) on Bottom: 79.07,15.75 79.16,15.65 79.23,15.56 79.28,15.47 79.31,15.38 79.33,15.3 79.35,15.22 79.36,15.13 79.37,15.03 79.4,14.92 79.43,14.8 80.21,14.79 80.2,15.57 80.08,15.6 79.97,15.63 79.87,15.64 79.78,15.65 79.7,15.67 79.62,15.69 79.53,15.72 79.44,15.77 79.35,15.84 79.25,15.93
Net-(C27-Pad2) on Bottom: 80.12,13.81 80.13,13.95 80.15,14.06 80.18,14.16 80.22,14.24 80.26,14.31 80.31,14.39 80.36,14.46 80.42,14.54 80.48,14.63 80.54,14.74 80,15.3 79.46,14.74 79.52,14.63 79.58,14.54 79.64,14.46 79.69,14.39 79.74,14.31 79.78,14.24 79.82,14.16 79.85,14.06 79.87,13.95 79.88,13.81
Net-(C27-Pad2) on Bottom: 79.88,14.19 79.87,14.05 79.85,13.94 79.82,13.84 79.78,13.76 79.74,13.69 79.69,13.61 79.64,13.54 79.58,13.46 79.52,13.37 79.46,13.26 80,12.7 80.54,13.26 80.48,13.37 80.42,13.46 80.36,13.54 80.31,13.61 80.26,13.69 80.22,13.76 80.18,13.84 80.15,13.94 80.13,14.05 80.12,14.19
Net-(LD1-Pad1) on Top: 86.15,19.85 86.16,19.99 86.17,20.1 86.2,20.19 86.23,20.27 86.28,20.34 86.32,20.41 86.38,20.48 86.43,20.56 86.49,20.64 86.54,20.75 86.03,21.29 85.51,20.75 85.56,20.64 85.62,20.56 85.67,20.48 85.73,20.41 85.77,20.34 85.82,20.27 85.85,20.19 85.88,20.1 85.89,19.99 85.9,19.85
Net-(R1-Pad1) on Top: 57.81,10.9 57.95,10.89 58.06,10.87 58.16,10.84 58.24,10.8 58.31,10.75 58.38,10.7 58.46,10.64 58.53,10.58 58.63,10.52 58.74,10.46 59.3,11 58.74,11.54 58.63,11.48 58.53,11.42 58.46,11.36 58.38,11.3 58.31,11.25 58.24,11.2 58.16,11.16 58.06,11.13 57.95,11.11 57.81,11.1
Net-(R2-Pad1) on Top: 59.81,13.9 59.95,13.89 60.06,13.87 60.16,13.84 60.24,13.8 60.31,13.75 60.38,13.7 60.46,13.64 60.53,13.58 60.63,13.52 60.74,13.46 61.3,14 60.74,14.54 60.63,14.48 60.53,14.42 60.46,14.36 60.38,14.3 60.31,14.25 60.24,14.2 60.16,14.16 60.06,14.13 59.95,14.11 59.81,14.1
Net-(R10-Pad2) on Bottom: 29.07,28.75 29.16,28.65 29.23,28.56 29.28,28.47 29.31,28.38 29.33,28.3 29.35,28.22 29.36,28.13 29.37,28.03 29.4,27.92 29.43,27.8 30.21,27.79 30.2,28.57 30.08,28.6 29.97,28.63 29.87,28.64 29.78,28.65 29.7,28.67 29.62,28.69 29.53,28.72 29.44,28.77 29.35,28.84 29.25,28.93
